# Altium PCB PCB_BoargV1_1__x3.PcbDoc (part 2 of 2)
Units mm, origin at the board's own origin, x right, y up, seen from the top; angles counter-clockwise.
Board outline 99.7 x 99.31 mm, 2 copper layers (Top Layer, Bottom Layer); 228 components, 60 nets, 1012 pads, 104 vias.
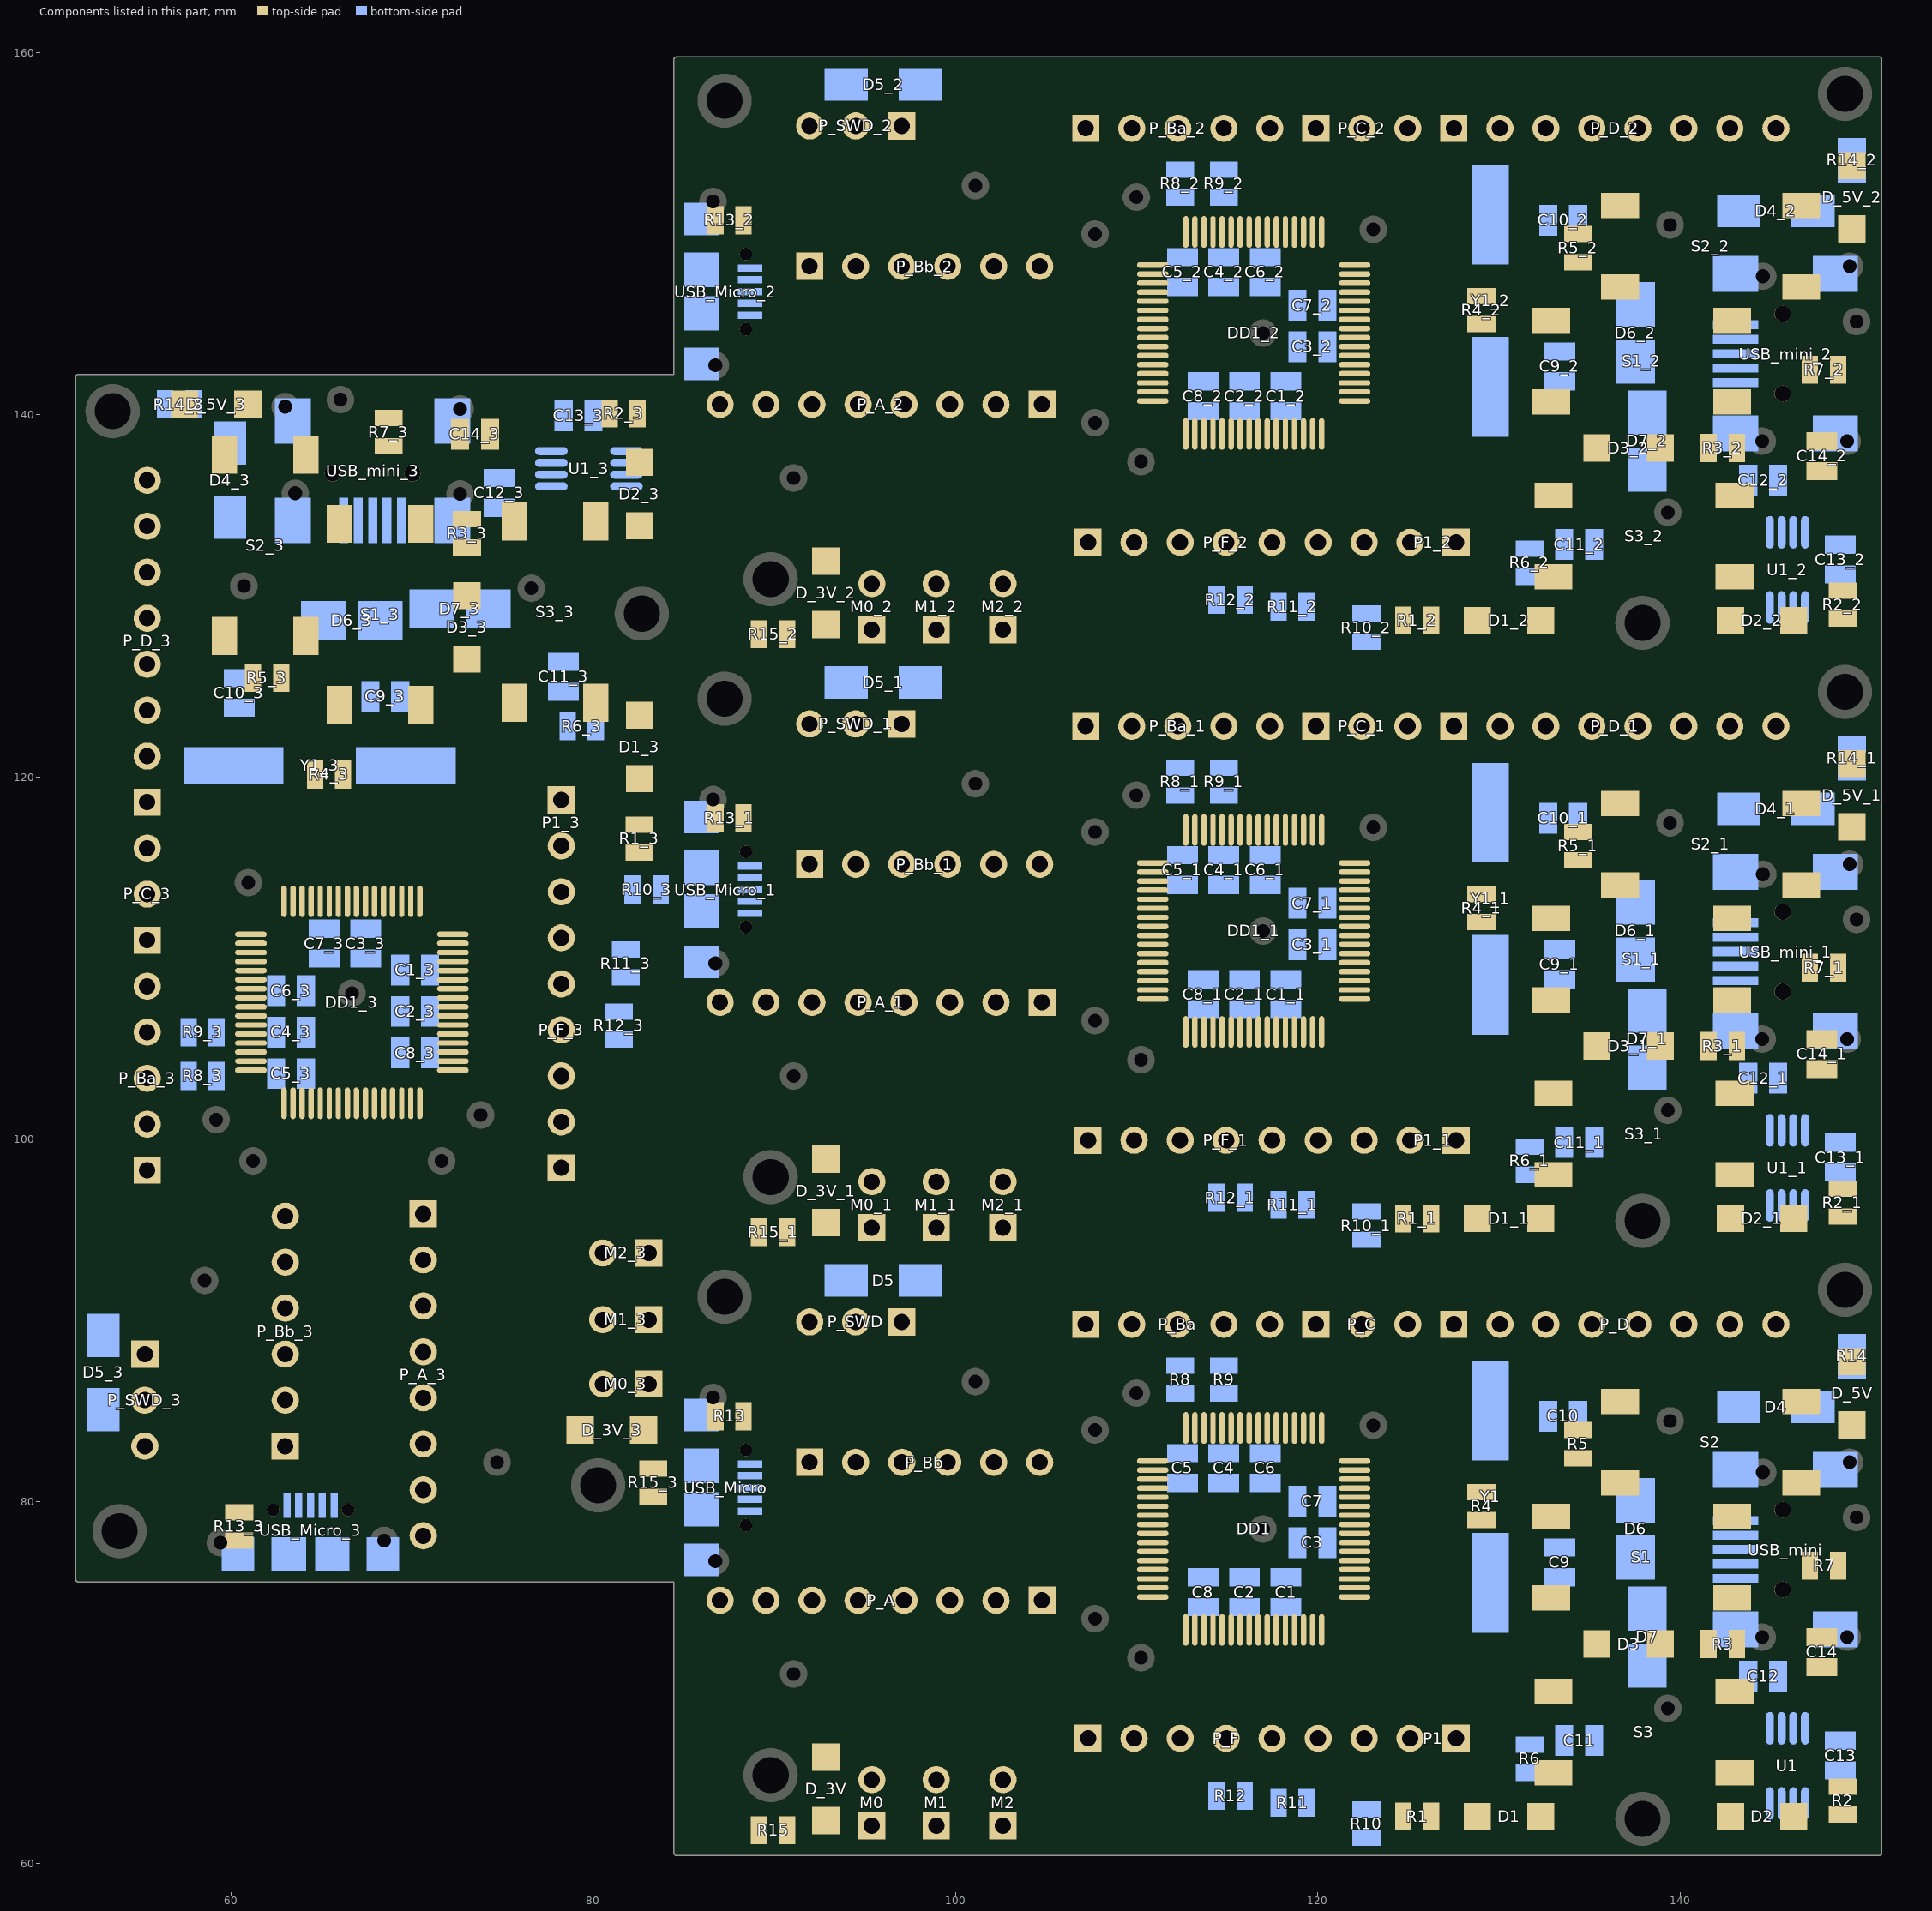
[diagram p2: the components of this part, seen from the top]

## Via types
v1: diameter 0.9, hole 0.5, Top Layer to Bottom Layer, 80 vias
v2: diameter 0.9, hole 0.4, Top Layer to Bottom Layer, 24 vias

## Nets (pads, with @x,y where several pads share a name; then routed paths per layer and width w, separated by ;. In a path a pad name is that pad's centre, name@x,y a point inside that pad or via, vN(x,y) a via of type N, cw(c..) or ccw(c..) an arc to the next point about the centre after c; other vN are vias at no path point) (continued)
pads on no net: C1_1.1 C1_1.2 C1_2.1 C1_2.2 C1_3.1 C1_3.2 C2_1.1 C2_1.2 C2_2.1 C2_2.2 C2_3.1 C2_3.2 C3_1.1 C3_1.2 C3_2.1 C3_2.2 C3_3.1 C3_3.2 C4_1.1 C4_1.2 C4_2.1 C4_2.2 C4_3.1 C4_3.2 C5_1.1 C5_1.2 C5_2.1 C5_2.2 C5_3.1 C5_3.2 C6_1.1 C6_1.2 C6_2.1 C6_2.2 C6_3.1 C6_3.2 C7_1.1 C7_1.2 C7_2.1 C7_2.2 C7_3.1 C7_3.2 C8_1.1 C8_1.2 C8_2.1 C8_2.2 C8_3.1 C8_3.2 C9_1.1 C9_1.2 C9_2.1 C9_2.2 C9_3.1 C9_3.2 C10_1.1 C10_1.2 C10_2.1 C10_2.2 C10_3.1 C10_3.2 C11_1.1 C11_1.2 C11_2.1 C11_2.2 C11_3.1 C11_3.2 C12_1.1 C12_1.2 C12_2.1 C12_2.2 C12_3.1 C12_3.2 C13_1.1 C13_1.2 C13_2.1 C13_2.2 C13_3.1 C13_3.2 C14_1.1 C14_1.2 C14_2.1 C14_2.2 C14_3.1 C14_3.2 D1_1.1 D1_1.2 D1_2.1 D1_2.2 D1_3.1 D1_3.2 D2_1.1 D2_1.2 D2_2.1 D2_2.2 D2_3.1 D2_3.2 D3_1.1 D3_1.2 D3_2.1 D3_2.2 D3_3.1 D3_3.2 D4_1.A D4_1.K D4_2.A D4_2.K D4_3.A D4_3.K D5_1.A D5_1.K D5_2.A D5_2.K D5_3.A D5_3.K D6_1.A D6_1.K D6_2.A D6_2.K D6_3.A D6_3.K D7_1.A D7_1.K D7_2.A D7_2.K D7_3.A D7_3.K D_3V_1.1 D_3V_1.2 D_3V_2.1 D_3V_2.2 D_3V_3.1 D_3V_3.2 D_5V_1.1 D_5V_1.2 D_5V_2.1 D_5V_2.2 D_5V_3.1 D_5V_3.2 DD1.13 DD1.14 DD1.17 DD1.22 DD1.37 DD1_1.1 DD1_1.2 DD1_1.3 DD1_1.4 DD1_1.5 DD1_1.6 DD1_1.7 DD1_1.8 DD1_1.9 DD1_1.10 DD1_1.11 DD1_1.12 DD1_1.13 DD1_1.14 DD1_1.15 DD1_1.16 DD1_1.17 DD1_1.18 DD1_1.19 DD1_1.20 DD1_1.21 DD1_1.22 DD1_1.23 DD1_1.24 DD1_1.25 DD1_1.26 DD1_1.27 DD1_1.28 DD1_1.29 DD1_1.30 DD1_1.31 DD1_1.32 DD1_1.33 DD1_1.34 DD1_1.35 DD1_1.36 DD1_1.37 DD1_1.38 DD1_1.39 DD1_1.40 DD1_1.41 DD1_1.42 DD1_1.43 DD1_1.44 DD1_1.45 DD1_1.46 DD1_1.47 DD1_1.48 DD1_1.49 DD1_1.50 DD1_1.51 DD1_1.52 DD1_1.53 DD1_1.54 DD1_1.55 DD1_1.56 DD1_1.57 DD1_1.58 DD1_1.59 DD1_1.60 DD1_1.61 DD1_1.62 DD1_1.63 DD1_1.64 DD1_2.1 DD1_2.2 DD1_2.3 DD1_2.4 DD1_2.5 DD1_2.6 DD1_2.7 DD1_2.8 DD1_2.9 DD1_2.10 DD1_2.11 DD1_2.12 DD1_2.13 DD1_2.14 DD1_2.15 DD1_2.16 DD1_2.17 DD1_2.18 DD1_2.19 DD1_2.20 DD1_2.21 DD1_2.22 DD1_2.23 DD1_2.24 DD1_2.25 DD1_2.26 DD1_2.27 DD1_2.28 DD1_2.29 DD1_2.30 DD1_2.31 DD1_2.32 DD1_2.33 DD1_2.34 DD1_2.35 DD1_2.36 DD1_2.37 DD1_2.38 DD1_2.39 DD1_2.40 DD1_2.41 DD1_2.42 DD1_2.43 DD1_2.44 DD1_2.45 DD1_2.46 DD1_2.47 DD1_2.48 DD1_2.49 DD1_2.50 DD1_2.51 DD1_2.52 DD1_2.53 DD1_2.54 DD1_2.55 DD1_2.56 DD1_2.57 DD1_2.58 DD1_2.59 DD1_2.60 DD1_2.61 DD1_2.62 DD1_2.63 DD1_2.64 DD1_3.1 DD1_3.2 DD1_3.3 DD1_3.4 DD1_3.5 DD1_3.6 DD1_3.7 DD1_3.8 DD1_3.9 DD1_3.10 DD1_3.11 DD1_3.12 DD1_3.13 DD1_3.14 DD1_3.15 DD1_3.16 DD1_3.17 DD1_3.18 DD1_3.19 DD1_3.20 DD1_3.21 DD1_3.22 DD1_3.23 DD1_3.24 DD1_3.25 DD1_3.26 DD1_3.27 DD1_3.28 DD1_3.29 DD1_3.30 DD1_3.31 DD1_3.32 DD1_3.33 DD1_3.34 DD1_3.35 DD1_3.36 DD1_3.37 DD1_3.38 DD1_3.39 DD1_3.40 DD1_3.41 DD1_3.42 DD1_3.43 DD1_3.44 DD1_3.45 DD1_3.46 DD1_3.47 DD1_3.48 DD1_3.49 DD1_3.50 DD1_3.51 DD1_3.52 DD1_3.53 DD1_3.54 DD1_3.55 DD1_3.56 DD1_3.57 DD1_3.58 DD1_3.59 DD1_3.60 DD1_3.61 DD1_3.62 DD1_3.63 DD1_3.64 M0_1.1 M0_1.2 M0_2.1 M0_2.2 M0_3.1 M0_3.2 M1_1.1 M1_1.2 M1_2.1 M1_2.2 M1_3.1 M1_3.2 M2_1.1 M2_1.2 M2_2.1 M2_2.2 M2_3.1 M2_3.2 P1_1.1 P1_1.2 P1_2.1 P1_2.2 P1_3.1 P1_3.2 P_A_1.1 P_A_1.2 P_A_1.3 P_A_1.4 P_A_1.5 P_A_1.6 P_A_1.7 P_A_1.8 P_A_2.1 P_A_2.2 P_A_2.3 P_A_2.4 P_A_2.5 P_A_2.6 P_A_2.7 P_A_2.8 P_A_3.1 P_A_3.2 P_A_3.3 P_A_3.4 P_A_3.5 P_A_3.6 P_A_3.7 P_A_3.8 P_Ba_1.1 P_Ba_1.2 P_Ba_1.3 P_Ba_1.4 P_Ba_1.5 P_Ba_2.1 P_Ba_2.2 P_Ba_2.3 P_Ba_2.4 P_Ba_2.5 P_Ba_3.1 P_Ba_3.2 P_Ba_3.3 P_Ba_3.4 P_Ba_3.5 P_Bb_1.1 P_Bb_1.2 P_Bb_1.3 P_Bb_1.4 P_Bb_1.5 P_Bb_1.6 P_Bb_2.1 P_Bb_2.2 P_Bb_2.3 P_Bb_2.4 P_Bb_2.5 P_Bb_2.6 P_Bb_3.1 P_Bb_3.2 P_Bb_3.3 P_Bb_3.4 P_Bb_3.5 P_Bb_3.6 P_C_1.1 P_C_1.2 P_C_1.3 P_C_2.1 P_C_2.2 P_C_2.3 P_C_3.1 P_C_3.2 P_C_3.3 P_D_1.1 P_D_1.2 P_D_1.3 P_D_1.4 P_D_1.5 P_D_1.6 P_D_1.7 P_D_1.8 P_D_2.1 P_D_2.2 P_D_2.3 P_D_2.4 P_D_2.5 P_D_2.6 P_D_2.7 P_D_2.8 P_D_3.1 P_D_3.2 P_D_3.3 P_D_3.4 P_D_3.5 P_D_3.6 P_D_3.7 P_D_3.8 P_F_1.1 P_F_1.2 P_F_1.3 P_F_1.4 P_F_1.5 P_F_1.6 P_F_1.7 P_F_2.1 P_F_2.2 P_F_2.3 P_F_2.4 P_F_2.5 P_F_2.6 P_F_2.7 P_F_3.1 P_F_3.2 P_F_3.3 P_F_3.4 P_F_3.5 P_F_3.6 P_F_3.7 P_SWD_1.1 P_SWD_1.2 P_SWD_1.3 P_SWD_2.1 P_SWD_2.2 P_SWD_2.3 P_SWD_3.1 P_SWD_3.2 P_SWD_3.3 R1_1.1 R1_1.2 R1_2.1 R1_2.2 R1_3.1 R1_3.2 R2_1.1 R2_1.2 R2_2.1 R2_2.2 R2_3.1 R2_3.2 R3_1.1 R3_1.2 R3_2.1 R3_2.2 R3_3.1 R3_3.2 R4_1.1 R4_1.2 R4_2.1 R4_2.2 R4_3.1 R4_3.2 R5_1.1 R5_1.2 R5_2.1 R5_2.2 R5_3.1 R5_3.2 R6_1.1 R6_1.2 R6_2.1 R6_2.2 R6_3.1 R6_3.2 R7_1.1 R7_1.2 R7_2.1 R7_2.2 R7_3.1 R7_3.2 R8_1.1 R8_1.2 R8_2.1 R8_2.2 R8_3.1 R8_3.2 R9_1.1 R9_1.2 R9_2.1 R9_2.2 R9_3.1 R9_3.2 R10_1.1 R10_1.2 R10_2.1 R10_2.2 R10_3.1 R10_3.2 R11_1.1 R11_1.2 R11_2.1 R11_2.2 R11_3.1 R11_3.2 R12_1.1 R12_1.2 R12_2.1 R12_2.2 R12_3.1 R12_3.2 R13_1.1 R13_1.2 R13_2.1 R13_2.2 R13_3.1 R13_3.2 R14_1.1 R14_1.2 R14_2.1 R14_2.2 R14_3.1 R14_3.2 R15_1.1 R15_1.2 R15_2.1 R15_2.2 R15_3.1 R15_3.2 S1.1 S1.3 S1_1.1 S1_1.2 S1_1.3 S1_1.4 S1_2.1 S1_2.2 S1_2.3 S1_2.4 S1_3.1 S1_3.2 S1_3.3 S1_3.4 S2.1 S2.3 S2_1.1 S2_1.2 S2_1.3 S2_1.4 S2_2.1 S2_2.2 S2_2.3 S2_2.4 S2_3.1 S2_3.2 S2_3.3 S2_3.4 S3.1 S3.3 S3_1.1 S3_1.2 S3_1.3 S3_1.4 S3_2.1 S3_2.2 S3_2.3 S3_2.4 S3_3.1 S3_3.2 S3_3.3 S3_3.4 U1_1.1 U1_1.2 U1_1.3 U1_1.4 U1_1.5 U1_1.6 U1_1.7 U1_1.8 U1_2.1 U1_2.2 U1_2.3 U1_2.4 U1_2.5 U1_2.6 U1_2.7 U1_2.8 U1_3.1 U1_3.2 U1_3.3 U1_3.4 U1_3.5 U1_3.6 U1_3.7 U1_3.8 USB_Micro.M1 USB_Micro.M2 USB_Micro_1.1 USB_Micro_1.2 USB_Micro_1.3 USB_Micro_1.4 USB_Micro_1.5 USB_Micro_1.M1 USB_Micro_1.M2 USB_Micro_1.S1 USB_Micro_1.S2 USB_Micro_1.S3 USB_Micro_1.S4 USB_Micro_2.1 USB_Micro_2.2 USB_Micro_2.3 USB_Micro_2.4 USB_Micro_2.5 USB_Micro_2.M1 USB_Micro_2.M2 USB_Micro_2.S1 USB_Micro_2.S2 USB_Micro_2.S3 USB_Micro_2.S4 USB_Micro_3.1 USB_Micro_3.2 USB_Micro_3.3 USB_Micro_3.4 USB_Micro_3.5 USB_Micro_3.M1 USB_Micro_3.M2 USB_Micro_3.S1 USB_Micro_3.S2 USB_Micro_3.S3 USB_Micro_3.S4 USB_mini.M1 USB_mini.M2 USB_mini_1.1 USB_mini_1.2 USB_mini_1.3 USB_mini_1.4 USB_mini_1.5 USB_mini_1.M1 USB_mini_1.M2 USB_mini_1.S1 USB_mini_1.S2 USB_mini_1.S3 USB_mini_1.S4 USB_mini_2.1 USB_mini_2.2 USB_mini_2.3 USB_mini_2.4 USB_mini_2.5 USB_mini_2.M1 USB_mini_2.M2 USB_mini_2.S1 USB_mini_2.S2 USB_mini_2.S3 USB_mini_2.S4 USB_mini_3.1 USB_mini_3.2 USB_mini_3.3 USB_mini_3.4 USB_mini_3.5 USB_mini_3.M1 USB_mini_3.M2 USB_mini_3.S1 USB_mini_3.S2 USB_mini_3.S3 USB_mini_3.S4 Y1_1.1 Y1_1.2 Y1_2.1 Y1_2.2 Y1_3.1 Y1_3.2
copper on no net: | length 3540.5
  Top Layer w0.254: 55.245,85.598 55.245,85.852 53.14,87.957 53.14,103.686 55.372,105.918 ; 55.245,88.519 53.594,90.17 53.594,101.6 55.372,103.378 57.313,105.319 61.1,105.319 ; 55.372,98.298 57.15,100.076 57.15,101.974 59.472,104.296 61.077,104.296 61.1,104.319 ; 55.372,100.838 59.353,104.819 61.1,104.819 ; 55.372,108.458 57.511,106.319 61.1,106.319 ; 55.372,110.998 55.372,110.744 56.261,109.855 56.261,109.22 58.662,106.819 61.1,106.819 ; 55.372,113.538 56.896,112.014 56.896,109.227 58.781,107.342 61.077,107.342 61.1,107.319 ; 55.372,116.078 57.35,114.1 57.35,109.415 58.946,107.819 61.1,107.819 ; 55.471,105.819 61.1,105.819 ; 61.1,103.819 62.424,103.819 v1(62.484,103.759) ; 61.1,108.819 62.718,108.819 63.754,109.855 v1(63.754,111.125) 64.262,111.125 ; 62.611,83.185 62.992,83.185 65.925,86.118 65.925,101.994 ; 62.611,85.725 62.992,85.725 65.425,88.158 65.425,101.994 ; 62.611,88.265 62.992,88.265 64.925,90.198 64.925,101.994 ; 62.611,90.805 62.992,90.805 64.425,92.238 64.425,101.994 ; 62.992,95.758 63.425,96.191 ; v1(62.992,99.187) 63.425,99.62 63.425,101.994 ; 64.925,113.144 64.925,111.788 64.262,111.125 ; 66.425,101.994 66.425,82.673 70.993,78.105 ; 66.925,101.994 66.925,84.586 70.866,80.645 ; 66.925,113.144 66.925,111.125 64.262,111.125 ; 67.425,101.994 67.425,86.626 70.866,83.185 ; 67.925,101.994 67.925,88.666 70.866,85.725 ; 68.425,101.994 68.425,90.579 70.739,88.265 ; 68.925,101.994 68.925,92.619 70.739,90.805 ; 69.425,101.994 69.425,94.532 70.612,93.345 71.12,93.345 ; 69.925,101.994 69.925,96.572 70.612,95.885 ; v1(70.231,111.125) 70.154,111.048 70.154,110.236 71.048,109.342 72.227,109.342 72.25,109.319 ; 70.612,88.265 71.12,88.265 ; 70.612,90.805 71.12,90.805 ; v1(70.612,104.267) v1@70.739,104.267 ; 70.739,80.645 71.12,80.645 ; 70.739,83.185 71.12,83.185 ; 70.739,85.725 71.12,85.725 ; 70.866,78.105 71.12,78.105 ; v1@70.925,104.081 71.187,103.819 72.25,103.819 ; 72.25,107.319 73.564,107.319 76.581,110.336 76.581,112.014 78.232,113.665 ; 86.995,107.061 86.995,107.315 ; 86.995,107.188 91.563,111.756 110.884,111.756 ; 86.995,140.081 86.995,140.335 ; 86.995,140.208 91.563,144.776 110.884,144.776 ; 89.535,107.061 89.535,107.442 ; 89.535,107.315 93.476,111.256 110.884,111.256 ; 89.535,140.081 89.535,140.462 ; 89.535,140.335 93.476,144.276 110.884,144.276 ; 92.075,107.061 92.075,107.442 ; 92.075,107.315 95.516,110.756 110.884,110.756 ; 92.075,115.57 92.075,115.189 95.008,112.256 110.884,112.256 ; 92.075,140.081 92.075,140.462 ; 92.075,140.335 95.516,143.776 110.884,143.776 ; 92.075,148.59 92.075,148.209 95.008,145.276 110.884,145.276 ; 94.488,122.936 94.742,122.936 96.847,125.041 112.576,125.041 114.808,122.809 ; 94.488,155.956 94.742,155.956 96.847,158.061 112.576,158.061 114.808,155.829 ; 94.615,107.061 94.615,107.442 ; 94.615,107.315 97.556,110.256 110.884,110.256 ; 94.615,115.57 94.615,115.189 97.048,112.756 110.884,112.756 ; 94.615,140.081 94.615,140.462 ; 94.615,140.335 97.556,143.276 110.884,143.276 ; 94.615,148.59 94.615,148.209 97.048,145.776 110.884,145.776 ; 97.155,107.061 97.155,107.569 ; 97.155,107.442 99.469,109.756 110.884,109.756 ; 97.155,115.57 97.155,115.189 99.088,113.256 110.884,113.256 ; 97.155,140.081 97.155,140.589 ; 97.155,140.462 99.469,142.776 110.884,142.776 ; 97.155,148.59 97.155,148.209 99.088,146.276 110.884,146.276 ; 97.409,122.936 99.06,124.587 110.49,124.587 112.268,122.809 114.209,120.868 114.209,117.081 ; 97.409,155.956 99.06,157.607 110.49,157.607 112.268,155.829 114.209,153.888 114.209,150.101 ; 99.695,107.061 99.695,107.569 ; 99.695,107.442 101.509,109.256 110.884,109.256 ; 99.695,115.57 99.695,115.189 101.128,113.756 110.884,113.756 ; 99.695,140.081 99.695,140.589 ; 99.695,140.462 101.509,142.276 110.884,142.276 ; 99.695,148.59 99.695,148.209 101.128,146.776 110.884,146.776 ; 102.235,107.061 102.235,107.569 103.422,108.756 110.884,108.756 ; 102.235,140.081 102.235,140.589 103.422,141.776 110.884,141.776 ; 104.648,115.189 105.081,114.756 ; 104.648,148.209 105.081,147.776 ; 104.775,107.569 105.462,108.256 110.884,108.256 ; 104.775,140.589 105.462,141.276 110.884,141.276 ; 107.188,122.809 108.966,121.031 110.864,121.031 113.186,118.709 113.186,117.104 113.209,117.081 ; 107.188,155.829 108.966,154.051 110.864,154.051 113.186,151.729 113.186,150.124 113.209,150.101 ; v1(108.077,115.189) 108.51,114.756 110.884,114.756 ; v1(108.077,148.209) 108.51,147.776 110.884,147.776 ; 109.728,122.809 113.709,118.828 113.709,117.081 ; 109.728,155.829 113.709,151.848 113.709,150.101 ; v1(112.649,115.697) 112.709,115.757 112.709,117.081 ; v1(112.649,148.717) 112.709,148.777 112.709,150.101 ; 112.709,105.931 112.709,106.994 v1@112.971,107.256 ; 112.709,138.951 112.709,140.014 v1@112.971,140.276 ; v1@113.157,107.442 v1(113.157,107.569) ; v1@113.157,140.462 v1(113.157,140.589) ; 114.709,117.081 114.709,122.71 ; 114.709,150.101 114.709,155.73 ; 115.209,117.081 115.209,120.67 117.348,122.809 ; 115.209,150.101 115.209,153.69 117.348,155.829 ; 115.709,117.081 115.709,119.519 118.11,121.92 118.745,121.92 119.634,122.809 119.888,122.809 ; 115.709,150.101 115.709,152.539 118.11,154.94 118.745,154.94 119.634,155.829 119.888,155.829 ; 116.209,105.931 116.209,104.617 119.226,101.6 120.904,101.6 122.555,99.949 ; 116.209,117.081 116.232,117.104 116.232,119.4 118.117,121.285 120.904,121.285 122.428,122.809 ; 116.209,138.951 116.209,137.637 119.226,134.62 120.904,134.62 122.555,132.969 ; 116.209,150.101 116.232,150.124 116.232,152.42 118.117,154.305 120.904,154.305 122.428,155.829 ; 116.709,117.081 116.709,119.235 118.305,120.831 122.99,120.831 124.968,122.809 ; 116.709,150.101 116.709,152.255 118.305,153.851 122.99,153.851 124.968,155.829 ; 117.709,117.081 117.709,115.463 118.745,114.427 v1(120.015,114.427) 120.015,113.919 ; 117.709,150.101 117.709,148.483 118.745,147.447 v1(120.015,147.447) 120.015,146.939 ; 118.209,105.931 118.232,105.954 118.232,107.133 119.126,108.027 119.938,108.027 v1(120.015,107.95) ; 118.209,138.951 118.232,138.974 118.232,140.153 119.126,141.047 119.938,141.047 v1(120.015,140.97) ; 122.034,111.256 120.015,111.256 120.015,113.919 ; 122.034,113.256 120.678,113.256 120.015,113.919 ; 122.034,144.276 120.015,144.276 120.015,146.939 ; 122.034,146.276 120.678,146.276 120.015,146.939
  Top Layer w0.3: 55.372,118.618 57.827,116.163 57.827,110.575 58.583,109.819 61.1,109.819 ; 55.372,121.158 55.626,121.158 58.327,118.457 58.327,110.782 58.79,110.319 61.1,110.319 ; 55.372,123.698 58.827,120.243 58.827,110.989 58.997,110.819 61.1,110.819 ; 55.372,126.238 59.327,122.283 59.327,111.319 61.1,111.319 ; 55.372,128.778 56.642,127.508 56.642,125.675 59.827,122.49 59.827,117.973 62.925,114.875 62.925,113.144 ; 55.372,131.318 57.142,129.548 57.142,125.882 60.327,122.697 60.327,118.18 63.425,115.082 63.425,113.144 ; 55.372,133.858 57.642,131.588 57.642,126.089 60.827,122.904 60.827,118.387 63.925,115.289 63.925,113.144 ; 55.372,136.398 58.142,133.628 58.142,126.296 61.327,123.111 61.327,118.594 64.425,115.496 64.425,113.144 ; 62.992,93.218 61.595,94.615 61.595,96.647 63.925,98.977 63.925,101.994 ; 64.135,127.795 62.764,126.424 62.764,119.1 65.925,115.939 65.925,113.144 ; v2@66.167,105.156 v2(65.913,104.902) 66.929,104.902 69.846,107.819 72.25,107.819 73.389,107.819 75.946,110.376 v1(75.946,119.634) ; 66.425,113.144 66.425,119.765 70.485,123.825 70.485,124.874 ; v2(67.056,106.299) 67.183,106.299 69.203,108.319 72.25,108.319 73.182,108.319 74.93,110.067 v1(74.93,117.475) ; 68.425,113.144 68.425,115.217 67.31,116.332 67.31,118.364 73.025,124.079 73.025,126.52 ; v1(68.58,117.094) 68.925,116.749 68.925,113.144 ; v1(68.669,136.614) 68.707,136.576 68.707,138.277 ; 69.425,113.144 69.425,116.542 70.65,117.767 70.65,120.231 v1(70.612,120.269) ; 69.925,113.144 69.925,116.28 71.501,117.856 71.501,118.745 75.057,122.301 76.962,122.301 v1(76.962,122.428) ; 72.25,104.319 73.234,104.319 78.232,99.321 78.232,98.425 ; 72.25,104.819 74.378,104.819 78.232,100.965 ; 72.25,105.319 76.418,105.319 78.232,103.505 ; 72.25,105.819 78.006,105.819 78.232,106.045 ; 72.25,106.319 75.966,106.319 78.232,108.585 ; 72.25,106.819 73.926,106.819 78.232,111.125 ; 72.25,110.819 73.608,110.819 73.608,119.328 75.057,120.777 80.391,120.777 82.804,123.19 82.804,123.825 ; 72.25,111.319 72.25,118.732 74.795,121.277 77.851,121.277 77.851,122.506 77.846,122.511 77.846,128.138 82.55,132.842 82.55,133.886 ; 73.025,130.02 73.025,132.689 ; v1(78.773,124.112) 80.264,124.112 ; 82.55,117.374 82.55,119.916 ; 82.55,137.386 82.55,139.928 ; 102.108,115.189 103.505,116.586 105.537,116.586 107.867,114.256 110.884,114.256 ; 102.108,148.209 103.505,149.606 105.537,149.606 107.867,147.276 110.884,147.276 ; 107.315,99.949 108.211,99.949 113.209,104.947 113.209,105.931 ; 107.315,132.969 108.211,132.969 113.209,137.967 113.209,138.951 ; 109.855,99.949 113.709,103.803 113.709,105.931 ; 109.855,132.969 113.709,136.823 113.709,138.951 ; 112.395,99.949 114.209,101.763 114.209,105.931 ; 112.395,132.969 114.209,134.783 114.209,138.951 ; v2@114.046,112.014 v2(113.792,112.268) 113.792,111.252 116.709,108.335 116.709,105.931 116.709,104.792 119.266,102.235 v1(128.524,102.235) ; v2@114.046,145.034 v2(113.792,145.288) 113.792,144.272 116.709,141.355 116.709,138.951 116.709,137.812 119.266,135.255 v1(128.524,135.255) ; 114.709,105.931 114.709,100.175 114.935,99.949 ; 114.709,138.951 114.709,133.195 114.935,132.969 ; v2(115.189,111.125) 115.189,110.998 117.209,108.978 117.209,105.931 117.209,104.999 118.957,103.251 v1(126.365,103.251) ; v2(115.189,144.145) 115.189,144.018 117.209,141.998 117.209,138.951 117.209,138.019 118.957,136.271 v1(126.365,136.271) ; 115.209,105.931 115.209,102.215 117.475,99.949 ; 115.209,138.951 115.209,135.235 117.475,132.969 ; 115.709,105.931 115.709,104.255 120.015,99.949 ; 115.709,138.951 115.709,137.275 120.015,132.969 ; 118.709,117.081 118.709,119.598 119.465,120.354 125.053,120.354 127.508,122.809 ; 118.709,150.101 118.709,152.618 119.465,153.374 125.053,153.374 127.508,155.829 ; 119.209,117.081 119.209,119.391 119.672,119.854 127.347,119.854 130.048,122.555 130.048,122.809 ; 119.209,150.101 119.209,152.411 119.672,152.874 127.347,152.874 130.048,155.575 130.048,155.829 ; 119.709,105.931 119.709,104.573 128.218,104.573 129.667,103.124 129.667,97.79 132.08,95.377 132.715,95.377 ; 119.709,117.081 119.709,119.184 119.879,119.354 129.133,119.354 132.588,122.809 ; 119.709,138.951 119.709,137.593 128.218,137.593 129.667,136.144 129.667,130.81 132.08,128.397 132.715,128.397 ; 119.709,150.101 119.709,152.204 119.879,152.374 129.133,152.374 132.588,155.829 ; 120.209,105.931 127.622,105.931 130.167,103.386 130.167,100.33 131.396,100.33 131.401,100.335 137.028,100.335 141.732,95.631 142.776,95.631 ; 120.209,117.081 120.209,118.854 131.173,118.854 135.128,122.809 ; 120.209,138.951 127.622,138.951 130.167,136.406 130.167,133.35 131.396,133.35 131.401,133.355 137.028,133.355 141.732,128.651 142.776,128.651 ; 120.209,150.101 120.209,151.874 131.173,151.874 135.128,155.829 ; 122.034,108.256 125.17,108.256 126.746,106.68 127.635,106.68 131.191,103.124 131.191,101.219 v1(131.318,101.219) ; 122.034,108.756 125.432,108.756 126.657,107.531 129.121,107.531 v1(129.159,107.569) ; 122.034,109.256 125.639,109.256 v1(125.984,109.601) ; 122.034,109.756 124.107,109.756 125.222,110.871 127.254,110.871 132.969,105.156 135.41,105.156 ; 122.034,111.756 128.655,111.756 132.715,107.696 133.764,107.696 ; 122.034,112.256 124.829,112.256 127.99,115.417 135.314,115.417 136.685,114.046 ; 122.034,113.756 124.386,113.756 127.484,116.854 132.001,116.854 135.186,120.039 142.518,120.039 145.288,122.809 ; 122.034,114.256 124.179,114.256 127.277,117.354 131.794,117.354 134.979,120.539 140.478,120.539 142.748,122.809 ; 122.034,114.756 123.972,114.756 127.07,117.854 131.587,117.854 134.772,121.039 138.438,121.039 140.208,122.809 ; 122.034,115.256 123.765,115.256 126.863,118.354 131.38,118.354 134.565,121.539 136.398,121.539 137.668,122.809 ; 122.034,141.276 125.17,141.276 126.746,139.7 127.635,139.7 131.191,136.144 131.191,134.239 v1(131.318,134.239) ; 122.034,141.776 125.432,141.776 126.657,140.551 129.121,140.551 v1(129.159,140.589) ; 122.034,142.276 125.639,142.276 v1(125.984,142.621) ; 122.034,142.776 124.107,142.776 125.222,143.891 127.254,143.891 132.969,138.176 135.41,138.176 ; 122.034,144.776 128.655,144.776 132.715,140.716 133.764,140.716 ; 122.034,145.276 124.829,145.276 127.99,148.437 135.314,148.437 136.685,147.066 ; 122.034,146.776 124.386,146.776 127.484,149.874 132.001,149.874 135.186,153.059 142.518,153.059 145.288,155.829 ; 122.034,147.276 124.179,147.276 127.277,150.374 131.794,150.374 134.979,153.559 140.478,153.559 142.748,155.829 ; 122.034,147.776 123.972,147.776 127.07,150.874 131.587,150.874 134.772,154.059 138.438,154.059 140.208,155.829 ; 122.034,148.276 123.765,148.276 126.863,151.374 131.38,151.374 134.565,154.559 136.398,154.559 137.668,155.829 ; 126.264,95.631 128.806,95.631 ; 126.264,128.651 128.806,128.651 ; 133.002,97.917 v1(133.002,99.408) ; 133.002,130.937 v1(133.002,132.428) ; 138.91,105.156 141.579,105.156 ; 138.91,138.176 141.579,138.176 ; v1(145.504,109.512) 145.466,109.474 147.167,109.474 ; v1(145.504,142.532) 145.466,142.494 147.167,142.494 ; 146.276,95.631 148.818,95.631 ; 146.276,128.651 148.818,128.651
  Top Layer w0.5: 59.635,137.795 63.445,133.985 65.985,133.985 67.945,133.985 69.796,135.836 70.685,135.836 72.009,137.16 73.116,137.16 74.767,138.811 v1(75.438,138.811) 75.438,137.287 78.105,134.62 v1(78.105,133.477) ; v1@70.739,104.267 70.925,104.081 70.925,103.719 72.009,102.635 72.009,100.711 75.311,97.409 75.311,88.646 77.47,86.487 80.518,86.487 ; 79.276,83.947 80.518,85.189 80.518,86.487 ; 80.518,93.726 80.518,90.043 80.518,86.487 ; 92.837,98.905 94.079,97.663 95.377,97.663 ; 92.837,131.925 94.079,130.683 95.377,130.683 ; 102.616,97.663 98.933,97.663 95.377,97.663 ; 102.616,130.683 98.933,130.683 95.377,130.683 ; v1@113.157,107.442 112.971,107.256 112.609,107.256 111.525,106.172 109.601,106.172 106.299,102.87 97.536,102.87 95.377,100.711 95.377,97.663 ; v1@113.157,140.462 112.971,140.276 112.609,140.276 111.525,139.192 109.601,139.192 106.299,135.89 97.536,135.89 95.377,133.731 95.377,130.683 ; v1(142.367,100.076) 143.51,100.076 146.177,102.743 v1(147.701,102.743) 147.701,103.414 146.05,105.065 146.05,106.172 144.726,107.496 144.726,108.385 142.875,110.236 142.875,112.196 142.875,114.736 146.685,118.546 ; v1(142.367,133.096) 143.51,133.096 146.177,135.763 v1(147.701,135.763) 147.701,136.434 146.05,138.085 146.05,139.192 144.726,140.516 144.726,141.405 142.875,143.256 142.875,145.216 142.875,147.756 146.685,151.566
  Top Layer w0.6: v1@52.705,84.691 52.705,82.804 54.483,81.026 v1(66.167,81.026) ; v2(56.362,140.589) 57.432,140.589 ; 82.776,83.947 83.312,83.411 83.312,81.814 ; v1(89.916,112.014) 89.916,123.698 91.694,125.476 v1@93.581,125.476 ; v1(89.916,145.034) 89.916,156.718 91.694,158.496 v1@93.581,158.496 ; 90.704,94.869 92.301,94.869 92.837,95.405 ; 90.704,127.889 92.301,127.889 92.837,128.425 ; 149.479,120.749 v2(149.479,121.819) ; 149.479,153.769 v2(149.479,154.839)
  Bottom Layer w0.254: 55.372,105.918 57.658,105.918 ; 55.499,103.378 57.785,103.378 ; 62.992,95.758 v1(62.992,99.187) ; v1@63.5,111.125 v1(63.754,111.125) ; v1(70.612,104.267) v1@70.612,104.395 ; 78.232,113.665 82.169,113.665 82.169,112.268 83.693,110.744 83.693,94.361 83.058,93.726 ; 102.616,95.123 103.251,94.488 119.634,94.488 121.158,96.012 122.555,96.012 122.555,99.949 ; 102.616,128.143 103.251,127.508 119.634,127.508 121.158,129.032 122.555,129.032 122.555,132.969 ; 104.648,115.189 v1(108.077,115.189) ; 104.648,148.209 v1(108.077,148.209) ; 112.268,120.396 112.268,122.682 ; 112.268,153.416 112.268,155.702 ; v1(113.157,107.569) v1@113.285,107.569 ; v1(113.157,140.589) v1@113.285,140.589 ; 114.808,120.523 114.808,122.809 ; 114.808,153.543 114.808,155.829 ; v1(120.015,114.427) v1@120.015,114.681 ; v1(120.015,147.447) v1@120.015,147.701
  Bottom Layer w0.3: v2(60.325,79.375) 61.072,78.628 63.739,78.628 63.739,79.764 ; 60.452,123.825 60.452,119.71 59.639,120.523 63.195,116.967 v1@68.834,116.967 ; 64.389,79.764 64.389,98.552 65.913,100.076 v2(65.913,104.902) ; 65.039,79.764 65.039,97.932 67.056,99.949 v2(67.056,106.299) ; 67.018,134.136 67.018,129.944 74.93,122.032 v1(74.93,117.475) ; 67.818,134.136 67.818,132.461 75.946,124.333 v1(75.946,119.634) ; 68.618,134.136 68.618,136.614 v1(68.669,136.614) ; 69.139,120.523 69.85,119.812 ; 69.342,120.726 69.342,124.46 ; v1(76.962,122.428) 77.978,122.428 78.773,123.223 v1(78.773,124.112) 78.646,124.428 78.359,124.715 ; 77.681,138.049 78.613,138.049 80.264,139.7 79.883,140.081 ; 78.232,108.585 79.782,107.035 79.782,105.511 80.899,105.511 ; 78.232,111.125 80.417,108.94 81.788,108.94 83.058,107.67 83.058,95.631 78.74,95.631 78.74,91.821 81.788,91.821 83.058,90.551 83.058,90.043 ; 81.407,105.511 81.407,96.393 78.105,96.393 78.105,88.265 81.28,88.265 83.058,86.487 ; v2(88.265,117.856) 87.518,117.109 87.518,114.442 88.654,114.442 ; v2(88.265,150.876) 87.518,150.129 87.518,147.462 88.654,147.462 ; 88.654,113.142 106.822,113.142 108.839,111.125 v2(115.189,111.125) ; 88.654,113.792 107.442,113.792 108.966,112.268 v2(113.792,112.268) ; 88.654,146.162 106.822,146.162 108.839,144.145 v2(115.189,144.145) ; 88.654,146.812 107.442,146.812 108.966,145.288 v2(113.792,145.288) ; 95.377,95.123 97.155,96.901 97.155,100.076 105.283,100.076 105.283,96.774 114.401,96.774 ; 95.377,128.143 97.155,129.921 97.155,133.096 105.283,133.096 105.283,129.794 114.401,129.794 ; 98.933,95.123 99.441,95.123 100.711,96.393 100.711,99.441 104.521,99.441 104.521,95.123 116.56,95.123 117.83,96.393 117.83,97.764 120.015,99.949 ; 98.933,128.143 99.441,128.143 100.711,129.413 100.711,132.461 104.521,132.461 104.521,128.143 116.56,128.143 117.83,129.413 117.83,130.784 120.015,132.969 ; 114.401,97.282 114.401,98.399 115.925,98.399 117.475,99.949 ; 114.401,130.302 114.401,131.419 115.925,131.419 117.475,132.969 ; v1@125.857,109.347 125.857,114.986 129.413,118.542 128.6,117.729 132.715,117.729 ; v1@125.857,142.367 125.857,148.006 129.413,151.562 128.6,150.749 132.715,150.749 ; v1(126.365,103.251) 130.922,103.251 138.834,111.163 143.026,111.163 ; v1(126.365,136.271) 130.922,136.271 138.834,144.183 143.026,144.183 ; v1(128.524,102.235) 133.223,102.235 141.351,110.363 143.026,110.363 ; v1(128.524,135.255) 133.223,135.255 141.351,143.383 143.026,143.383 ; 128.702,108.331 129.413,109.042 ; 128.702,141.351 129.413,142.062 ; 129.616,108.839 133.35,108.839 ; 129.616,141.859 133.35,141.859 ; v1(131.318,101.219) 131.318,100.203 132.113,99.408 v1(133.002,99.408) 133.318,99.535 133.605,99.822 ; v1(131.318,134.239) 131.318,133.223 132.113,132.428 v1(133.002,132.428) 133.318,132.555 133.605,132.842 ; 143.026,109.563 145.504,109.563 v1(145.504,109.512) ; 143.026,142.583 145.504,142.583 v1(145.504,142.532) ; 146.939,100.5 146.939,99.568 148.59,97.917 148.971,98.298 ; 146.939,133.52 146.939,132.588 148.59,130.937 148.971,131.318
  Bottom Layer w0.45: 59.208,105.918 59.208,103.505 62.232,103.505 v1(62.484,103.759) ; v1(75.438,138.811) 75.438,138.303 76.383,137.358 77.681,137.358 ; v1(112.649,115.697) 112.395,115.949 112.395,118.973 114.808,118.973 ; v1(112.649,148.717) 112.395,148.969 112.395,151.993 114.808,151.993 ; 146.248,100.5 146.248,101.798 147.193,102.743 v1(147.701,102.743) ; 146.248,133.52 146.248,134.818 147.193,135.763 v1(147.701,135.763)
  Bottom Layer w0.5: 59.944,134.348 59.944,133.858 62.103,131.699 65.151,131.699 66.218,132.766 66.218,134.174 ; 59.944,138.448 60.561,138.448 61.595,137.414 64.389,137.414 65.146,138.171 68.326,138.171 68.326,138.176 70.612,138.176 71.628,137.16 74.295,137.16 75.057,136.398 78.359,136.398 ; v1(62.484,103.759) 62.485,105.918 62.485,108.204 62.485,110.11 v1@63.5,111.125 ; 64.007,111.632 65.151,111.632 67.437,111.632 69.724,111.632 v1(70.231,111.125) ; 64.135,103.632 64.135,108.966 65.151,109.982 68.707,109.982 69.342,109.347 69.342,104.775 ; 65.689,79.764 65.689,80.548 v1(66.167,81.026) ; v1@70.358,111.125 70.992,110.491 70.992,109.347 70.992,107.061 70.992,104.775 ; v1@70.612,111.125 78.232,118.745 80.137,120.65 80.137,131.445 v1(78.105,133.477) ; 88.654,112.492 89.438,112.492 v1(89.916,112.014) ; 88.654,145.512 89.438,145.512 v1(89.916,145.034) ; 112.522,114.046 117.856,114.046 118.872,113.03 118.872,109.474 118.237,108.839 113.665,108.839 ; 112.522,147.066 117.856,147.066 118.872,146.05 118.872,142.494 118.237,141.859 113.665,141.859 ; v1(112.649,115.697) 114.808,115.696 117.094,115.696 119,115.696 v1@120.015,114.681 ; v1(112.649,148.717) 114.808,148.716 117.094,148.716 119,148.716 v1@120.015,147.701 ; 113.665,107.189 115.951,107.189 118.237,107.189 119.381,107.189 v1@120.015,107.823 ; 113.665,140.209 115.951,140.209 118.237,140.209 119.381,140.209 v1@120.015,140.843 ; v1@120.015,107.569 127.635,99.949 129.54,98.044 140.335,98.044 v1(142.367,100.076) ; v1(120.015,107.95) 120.522,108.457 120.522,110.744 120.522,113.03 120.522,114.174 ; v1@120.015,140.589 127.635,132.969 129.54,131.064 140.335,131.064 v1(142.367,133.096) ; v1(120.015,140.97) 120.522,141.477 120.522,143.764 120.522,146.05 120.522,147.194 ; 143.064,111.963 141.656,111.963 140.589,113.03 140.589,116.078 142.748,118.237 143.238,118.237 ; 143.064,144.983 141.656,144.983 140.589,146.05 140.589,149.098 142.748,151.257 143.238,151.257 ; 145.288,99.822 145.288,103.124 146.05,103.886 146.05,106.553 147.066,107.569 147.066,109.855 147.061,109.855 147.061,113.035 146.304,113.792 146.304,116.586 147.338,117.62 147.338,118.237 ; 145.288,132.842 145.288,136.144 146.05,136.906 146.05,139.573 147.066,140.589 147.066,142.875 147.061,142.875 147.061,146.055 146.304,146.812 146.304,149.606 147.338,150.64 147.338,151.257
  Bottom Layer w0.6: 52.832,89.916 52.832,136.398 54.882,138.448 59.944,138.448 59.944,138.839 v2(60.805,139.7) ; 60.389,77.089 63.189,77.089 68.389,77.089 ; 85.979,109.792 85.979,114.992 85.979,117.792 ; 85.979,142.812 85.979,148.012 85.979,150.812 ; 98.806,125.349 145.288,125.349 147.338,123.299 147.338,118.237 147.729,118.237 v2(148.59,117.376) ; 98.806,158.369 145.288,158.369 147.338,156.319 147.338,151.257 147.729,151.257 v2(148.59,150.396)
  other v1: 52.578,85.09 122.682,94.462 119.38,96.393 115.951,96.774 81.407,107.061 139.573,110.109 81.788,110.49 83.719,113.792 93.98,125.603 122.682,127.482 119.38,129.413 115.951,129.794 68.072,130.683 139.573,143.129 93.98,158.623
  other v2: 127.254,108.712 69.469,118.364 127.254,141.732

## Polygon pours and split planes (outlines as drawn)
GND on Top Layer "Top Layer-No Net" (solid, pour order 16): 84.582,93.599 84.582,60.579 151.003,60.579 151.003,93.599
no net on Top Layer "Top Layer-No Net" (solid, pour order 15): 84.582,126.619 84.582,93.599 151.003,93.599 151.003,126.619
no net on Top Layer "Top Layer-No Net" (solid, pour order 14): 84.582,159.639 84.582,126.619 151.003,126.619 151.003,159.639
no net on Top Layer "Top Layer-No Net" (solid, pour order 13): 51.562,75.692 84.582,75.692 84.582,142.113 51.562,142.113
GND on Bottom Layer "Top Layer-No Net" (solid, pour order 12): 84.582,93.599 84.582,60.198 151.003,60.198 151.003,93.599
no net on Bottom Layer "Top Layer-No Net" (solid, pour order 11): 84.582,126.619 84.582,93.218 151.003,93.218 151.003,126.619
no net on Bottom Layer "Top Layer-No Net" (solid, pour order 10): 84.582,159.639 84.582,126.238 151.003,126.238 151.003,159.639
no net on Bottom Layer "Top Layer-No Net" (solid, pour order 9): 51.562,75.692 84.963,75.692 84.963,142.113 51.562,142.113

## Keep-outs
Keep-Out Layer:
  lines w0.254: 51.562,75.692 84.582,75.692 84.582,60.579 151.003,60.579 151.003,93.599 151.003,126.619 151.003,159.639 84.582,159.639 84.582,142.113 51.562,142.113 51.562,75.692

## Silkscreen, mask and mechanical layers (free items; w line width, h text height)
Top Overlay:
  text "B4" at 107.95,157.353 h1.3 r90
  text "B3" at 110.363,157.353 h1.3 r90
  text "B2" at 113.03,157.353 h1.3 r90
  text "B1" at 115.443,157.353 h1.3 r90
  text "B0" at 118.11,157.353 h1.3 r90
  text "C0" at 120.777,157.353 h1.3 r90
  text "C1" at 123.317,157.353 h1.3 r90
  text "C2" at 125.857,157.353 h1.3 r90
  text "D6" at 128.27,157.353 h1.3 r90
  text "D5" at 130.81,157.353 h1.3 r90
  text "D3" at 133.35,157.353 h1.3 r90
  text "D2" at 136.017,157.353 h1.3 r90
  text "D1" at 138.557,157.353 h1.52 r90
  text "D0" at 141.224,157.353 h1.3 r90
  text "D4" at 143.637,157.353 h1.3 r90
  text "D7" at 146.177,157.353 h1.3 r90
  text "PB9" at 95.25,149.733 h1.52 r90
  text "PB8" at 97.79,149.733 h1.52 r90
  text "PB7" at 100.33,149.733 h1.52 r90
  text "PB6" at 102.87,149.733 h1.52 r90
  text "PB5" at 105.41,149.733 h1.52 r90
  text "PB10" at 92.71,148.336 h1.52 r90
  text "PA7" at 85.979,138.811 h1.52 r270
  text "PA6" at 88.646,138.811 h1.52 r270
  text "PA5" at 91.186,138.811 h1.52 r270
  text "PA4" at 93.726,138.811 h1.52 r270
  text "PA3" at 96.266,138.811 h1.52 r270
  text "PA2" at 98.806,138.811 h1.52 r270
  text "PA1" at 101.346,138.811 h1.52 r270
  text "PA0" at 104.14,138.811 h1.52 r270
  text "D7" at 53.848,137.287 h1.3 r180
  text "D4" at 53.848,134.747 h1.3 r180
  text "3V3" at 79.629,134.112 h1.52 r90
  text "D0" at 53.848,132.334 h1.3 r180
  text "3V3" at 143.002,131.572 h1.52
  text "PF0" at 106.426,131.318 h1.52 r270
  text "PF1" at 108.966,131.318 h1.52 r270
  text "PF2" at 111.633,131.318 h1.52 r270
  text "PF3" at 114.046,131.318 h1.52 r270
  text "PF4" at 116.713,131.318 h1.52 r270
  text "PF5" at 119.253,131.318 h1.52 r270
  text "PF6" at 121.793,131.318 h1.52 r270
  text "D1" at 53.848,129.667 h1.52 r180
  text "D2" at 53.848,127.127 h1.3 r180
  text "D3" at 53.848,124.46 h1.3 r180
  text "B4" at 107.95,124.333 h1.3 r90
  text "B3" at 110.363,124.333 h1.3 r90
  text "B2" at 113.03,124.333 h1.3 r90
  text "B1" at 115.443,124.333 h1.3 r90
  text "B0" at 118.11,124.333 h1.3 r90
  text "C0" at 120.777,124.333 h1.3 r90
  text "C1" at 123.317,124.333 h1.3 r90
  text "C2" at 125.857,124.333 h1.3 r90
  text "D6" at 128.27,124.333 h1.3 r90
  text "D5" at 130.81,124.333 h1.3 r90
  text "D3" at 133.35,124.333 h1.3 r90
  text "D2" at 136.017,124.333 h1.3 r90
  text "D1" at 138.557,124.333 h1.52 r90
  text "D0" at 141.224,124.333 h1.3 r90
  text "D4" at 143.637,124.333 h1.3 r90
  text "D7" at 146.177,124.333 h1.3 r90
  text "D5" at 53.848,121.92 h1.3 r180
  text "D6" at 53.848,119.38 h1.3 r180
  text "C2" at 53.848,116.967 h1.3 r180
  text "PB9" at 95.25,116.713 h1.52 r90
  text "PB8" at 97.79,116.713 h1.52 r90
  text "PB7" at 100.33,116.713 h1.52 r90
  text "PB6" at 102.87,116.713 h1.52 r90
  text "PB5" at 105.41,116.713 h1.52 r90
  text "PB10" at 92.71,115.316 h1.52 r90
  text "C1" at 53.848,114.427 h1.3 r180
  text "PF6" at 79.883,112.903 h1.52
  text "C0" at 53.848,111.887 h1.3 r180
  text "PF5" at 79.883,110.363 h1.52
  text "B0" at 53.848,109.22 h1.3 r180
  text "PF4" at 79.883,107.823 h1.52
  text "B1" at 53.848,106.553 h1.3 r180
  text "PA7" at 85.979,105.791 h1.52 r270
  text "PA6" at 88.646,105.791 h1.52 r270
  text "PA5" at 91.186,105.791 h1.52 r270
  text "PA4" at 93.726,105.791 h1.52 r270
  text "PA3" at 96.266,105.791 h1.52 r270
  text "PA2" at 98.806,105.791 h1.52 r270
  text "PA1" at 101.346,105.791 h1.52 r270
  text "PA0" at 104.14,105.791 h1.52 r270
  text "PF3" at 79.883,105.156 h1.52
  text "B2" at 53.848,104.14 h1.3 r180
  text "PF2" at 79.883,102.743 h1.52
  text "B3" at 53.848,101.473 h1.3 r180
  text "PF1" at 79.883,100.076 h1.52
  text "B4" at 53.848,99.06 h1.3 r180
  text "3V3" at 143.002,98.552 h1.52
  text "PF0" at 106.426,98.298 h1.52 r270
  text "PF1" at 108.966,98.298 h1.52 r270
  text "PF2" at 111.633,98.298 h1.52 r270
  text "PF3" at 114.046,98.298 h1.52 r270
  text "PF4" at 116.713,98.298 h1.52 r270
  text "PF5" at 119.253,98.298 h1.52 r270
  text "PF6" at 121.793,98.298 h1.52 r270
  text "PF0" at 79.883,97.536 h1.52
  text "PB5" at 61.468,96.52 h1.52 r180
  text "PA0" at 72.39,95.25 h1.52
  text "PB6" at 61.468,93.98 h1.52 r180
  text "PA1" at 72.39,92.456 h1.52
  text "PB7" at 61.468,91.44 h1.52 r180
  text "B4" at 107.95,91.313 h1.3 r90
  text "B3" at 110.363,91.313 h1.3 r90
  text "B2" at 113.03,91.313 h1.3 r90
  text "B1" at 115.443,91.313 h1.3 r90
  text "B0" at 118.11,91.313 h1.3 r90
  text "C0" at 120.777,91.313 h1.3 r90
  text "C1" at 123.317,91.313 h1.3 r90
  text "C2" at 125.857,91.313 h1.3 r90
  text "D6" at 128.27,91.313 h1.3 r90
  text "D5" at 130.81,91.313 h1.3 r90
  text "D3" at 133.35,91.313 h1.3 r90
  text "D2" at 136.017,91.313 h1.3 r90
  text "D1" at 138.557,91.313 h1.52 r90
  text "D0" at 141.224,91.313 h1.3 r90
  text "D4" at 143.637,91.313 h1.3 r90
  text "D7" at 146.177,91.313 h1.3 r90
  text "PA2" at 72.39,89.916 h1.52
  text "PB8" at 61.468,88.9 h1.52 r180
  text "PA3" at 72.39,87.376 h1.52
  text "PB9" at 61.468,86.36 h1.52 r180
  text "PA4" at 72.39,84.836 h1.52
  text "PB10" at 62.865,83.82 h1.52 r180
  text "PB9" at 95.25,83.693 h1.52 r90
  text "PB8" at 97.79,83.693 h1.52 r90
  text "PB7" at 100.33,83.693 h1.52 r90
  text "PB6" at 102.87,83.693 h1.52 r90
  text "PB5" at 105.41,83.693 h1.52 r90
  text "PA5" at 72.39,82.296 h1.52
  text "PB10" at 92.71,82.296 h1.52 r90
  text "PA6" at 72.39,79.756 h1.52
  text "PA7" at 72.39,77.089 h1.52
  text "PA7" at 85.979,72.771 h1.52 r270
  text "PA6" at 88.646,72.771 h1.52 r270
  text "PA5" at 91.186,72.771 h1.52 r270
  text "PA4" at 93.726,72.771 h1.52 r270
  text "PA3" at 96.266,72.771 h1.52 r270
  text "PA2" at 98.806,72.771 h1.52 r270
  text "PA1" at 101.346,72.771 h1.52 r270
  text "PA0" at 104.14,72.771 h1.52 r270
  text "3V3" at 143.002,65.532 h1.52
  text "PF0" at 106.426,65.278 h1.52 r270
  text "PF1" at 108.966,65.278 h1.52 r270
  text "PF2" at 111.633,65.278 h1.52 r270
  text "PF3" at 114.046,65.278 h1.52 r270
  text "PF4" at 116.713,65.278 h1.52 r270
  text "PF5" at 119.253,65.278 h1.52 r270
  text "PF6" at 121.793,65.278 h1.52 r270
Bottom Overlay:
  text "GND" at 83.185,139.319 h1.52 r90
  text "GND" at 148.209,128.016 h1.52
  text "GND" at 148.209,94.996 h1.52
  text "GND" at 148.209,61.976 h1.52

## Dimensions
151.003,60.579 to 84.582,60.579 on Keep-Out Layer
151.003,60.579 to 151.003,159.639 on Mechanical 13
51.562,75.692 to 151.003,60.579 on Mechanical 13

## Text inside footprints (layer, text, board x,y; h text height)
USB_Micro: Mechanical 1 "PCB Edge" at 83.879,79.372 h0.76 r270
USB_Micro_1: Mechanical 1 "PCB Edge" at 83.879,112.392 h0.76 r270
USB_Micro_2: Mechanical 1 "PCB Edge" at 83.879,145.412 h0.76 r270
USB_Micro_3: Mechanical 1 "PCB Edge" at 65.789,74.989 h0.76